# Altium PCB FanSystem-V1.0.PcbDoc (part 2 of 2)
Units mil, origin at the board's own origin, x right, y up, seen from the top; angles counter-clockwise.
Board outline 2755.91 x 2755.91 mil, 2 copper layers (Top Layer, Bottom Layer); 97 components, 83 nets, 334 pads, 122 vias.
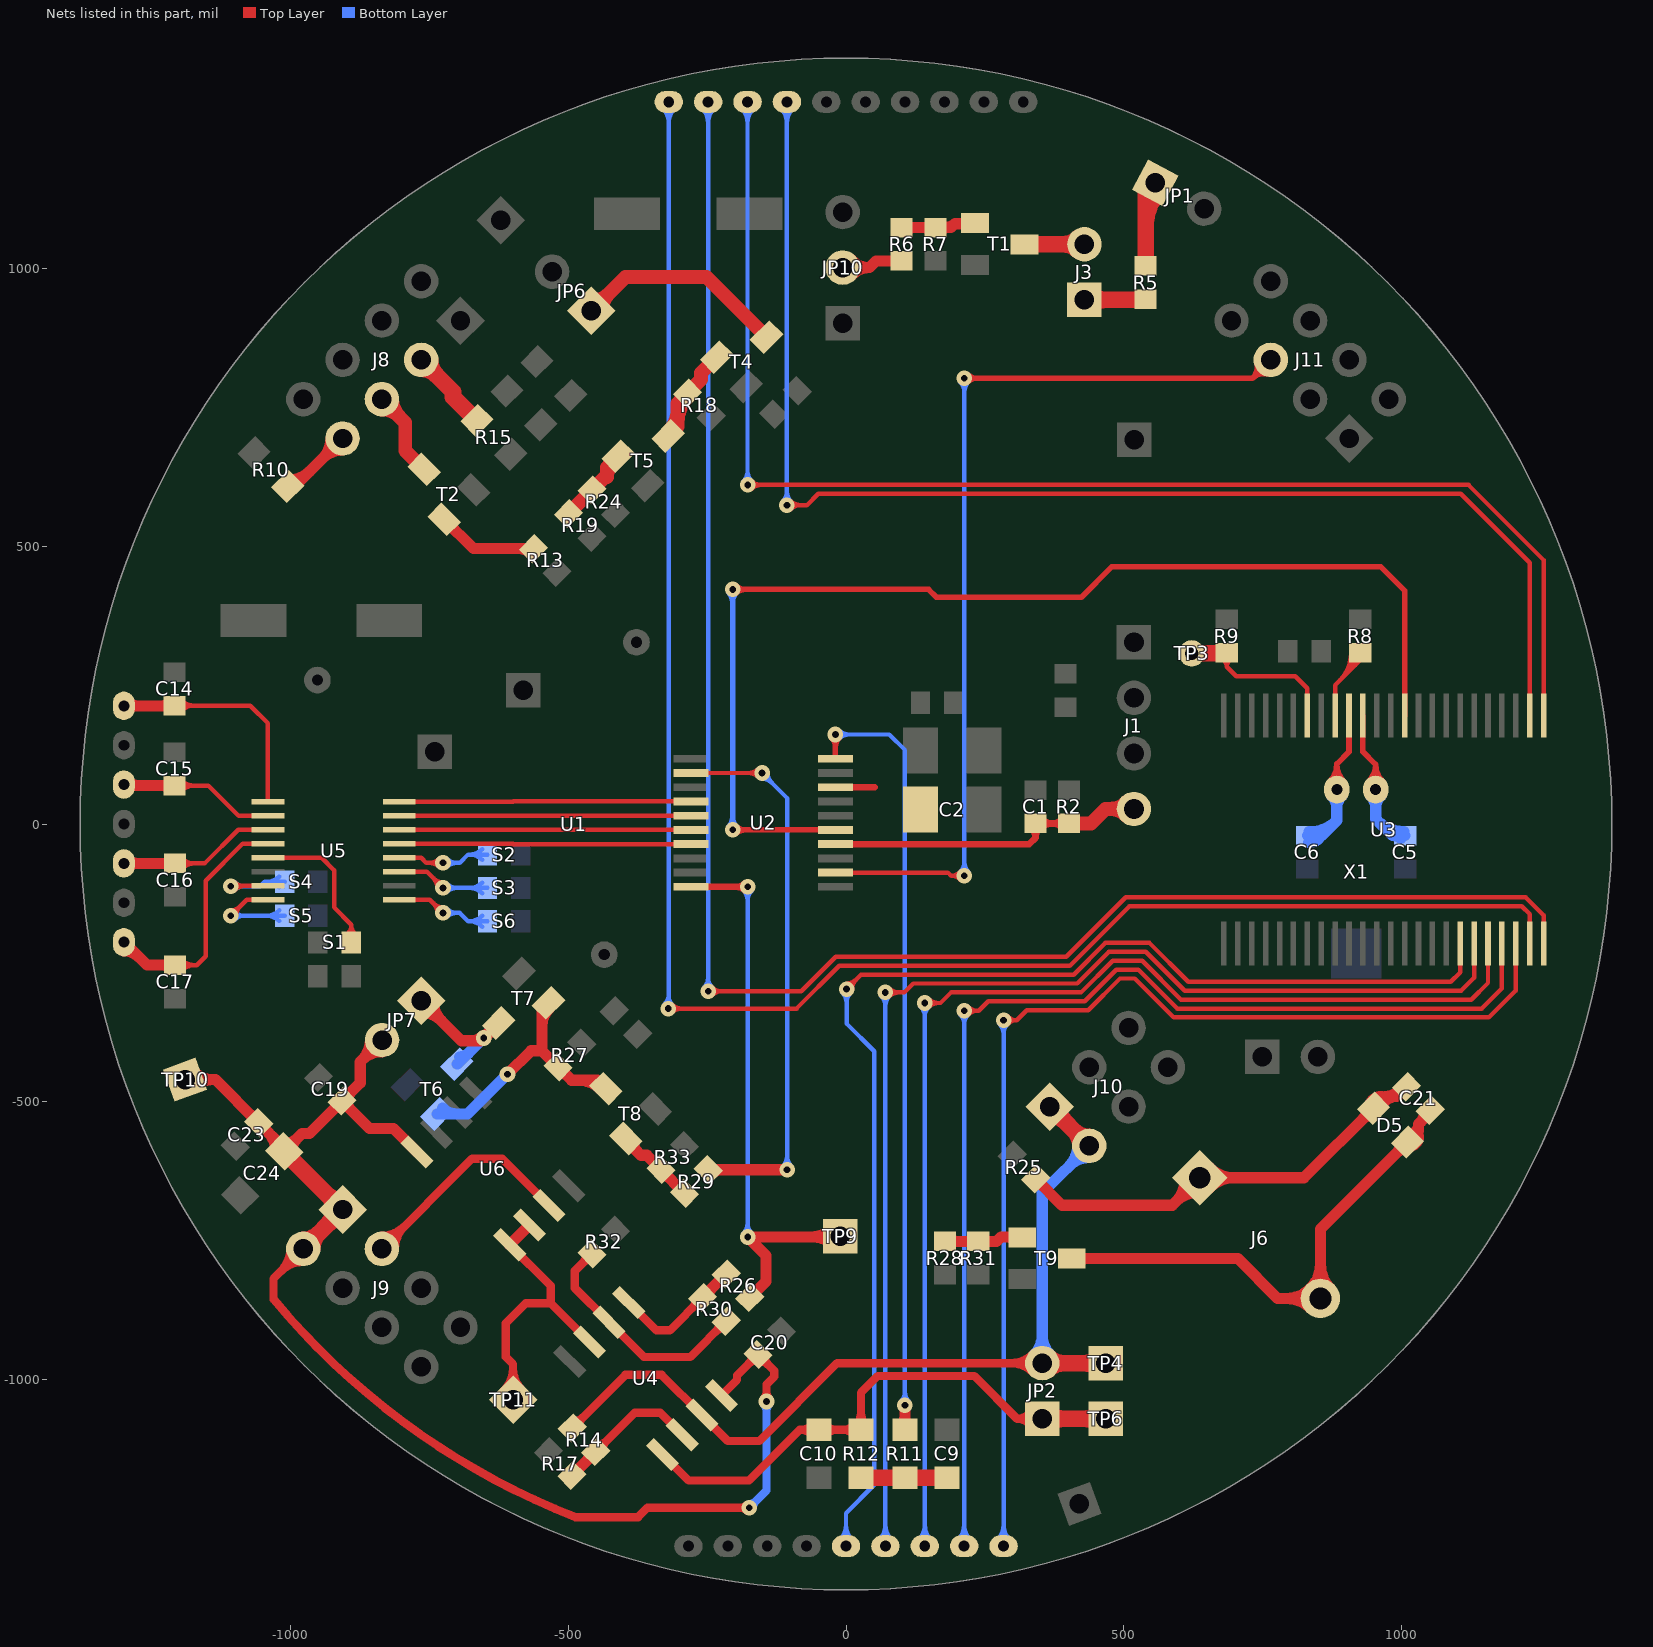
[diagram p2: the nets of this part, all layers, seen from the top]

## Via types
v1: diameter 28, hole 12, Top Layer to Bottom Layer, 122 vias

## Nets (pads, with @x,y where several pads share a name; then routed paths per layer and width w, separated by ;. In a path a pad name is that pad's centre, name@x,y a point inside that pad or via, vN(x,y) a via of type N, cw(c..) or ccw(c..) an arc to the next point about the centre after c; other vN are vias at no path point) (continued)
LCD_S6: U1.7 U3.2 | length 2531.9
  Top Layer w8: v1(-106.3,573.7) -70.3,573.7 -50,594 1106,594 1230,470 U3.2@1230,195 ; v1@-99.23,566.63 cw(c-82.16,549.56) -82.16,573.7 cw(c-82.16,597.84) v1@-99.23,580.77
  Bottom Layer w8: U1.7@-117.39,1288.12 cw(c-144.17,1261.35) -106.3,1261.35 cw(c-68.43,1261.35) U1.7@-95.21,1288.12 ; v1@-113.37,580.77 ccw(c-130.44,597.84) -106.3,597.84 ccw(c-82.16,597.84) v1@-99.23,580.77 ; v1(-106.3,573.7) U1.7@-106.3,1299.21
LCD_S7: U1.8 U3.1 | length 2592.5
  Top Layer w8: v1(-177,610) 1120,610 1255,475 U3.1@1255,195 ; v1@-169.93,602.93 cw(c-152.86,585.86) -152.86,610 cw(c-152.86,634.14) v1@-169.93,617.07
  Bottom Layer w8: U1.8@-188.26,1288.12 cw(c-215.03,1261.35) -177.17,1261.35 cw(c-139.3,1261.35) U1.8@-166.07,1288.12 ; v1@-184.07,617.07 ccw(c-200.74,633.74) -177.17,633.74 ; v1@-177.17,610 U1.8@-177.17,1299.21 ; -177.17,634.54 ccw(c-152.46,634.54) v1@-169.93,617.07
LCD_S8: U1.9 U3.48 | length 3372.6
  Top Layer w8: v1(-248.03,-301) -80.63,-301 -18.63,-239 396.24,-239 503.24,-132 1222.63,-132 1255,-164.37 U3.48@1255,-215 ; v1@-240.96,-308.07 cw(c-223.89,-325.14) -223.89,-301 cw(c-223.89,-276.86) v1@-240.96,-293.93
  Bottom Layer w8: U1.9@-259.12,1288.12 cw(c-285.9,1261.35) -248.03,1261.35 cw(c-210.16,1261.35) U1.9@-236.94,1288.12 ; v1@-255.1,-293.93 ccw(c-272.17,-276.86) -248.03,-276.86 ccw(c-223.89,-276.86) v1@-240.96,-293.93 ; v1(-248.03,-301) U1.9@-248.03,1299.21
LCD_S9: U1.10 U3.47 | length 3451.6
  Top Layer w8: v1(-320,-332) -89,-332 -12,-255 402.86,-255 509.86,-148 1216,-148 1230,-162 U3.47@1230,-215 ; v1@-312.93,-339.07 cw(c-295.86,-356.14) -295.86,-332 cw(c-295.86,-307.86) v1@-312.93,-324.93
  Bottom Layer w8: U1.10@-329.99,1288.12 cw(c-356.76,1261.35) -318.9,1261.35 cw(c-281.03,1261.35) U1.10@-307.81,1288.12 ; v1@-327.07,-324.93 ccw(c-346.8,-305.2) -318.9,-305.2 ; v1@-318.9,-332 U1.10@-318.9,1299.21 ; -318.9,-310.52 ccw(c-298.52,-310.52) v1@-312.93,-324.93
LCD_S10: U1.11 U3.46 | length 2166.3
  Top Layer w8: v1(283.46,-353) 307,-353 ; v1@290.66,-359.94 cw(c307,-375.69) 307,-353 ; v1@290.66,-346.06 ccw(c307,-330.31) 307,-353 ; U3.46@1205,-215 1205,-299.63 1156.63,-348 589.49,-348 519.49,-278 493,-278 436,-335 325,-335 307,-353
  Bottom Layer w8: U1.11@272.37,-1288.12 ccw(c245.6,-1261.35) 283.46,-1261.35 ccw(c321.33,-1261.35) U1.11@294.56,-1288.12 ; v1@276.39,-360.07 cw(c259.32,-377.14) 283.46,-377.14 cw(c307.61,-377.14) v1@290.54,-360.07 ; U1.11@283.46,-1299.21 v1(283.46,-353)
LCD_S11: U1.12 U3.45 | length 2221.5
  Top Layer w8: v1(212.6,-336) 239,-336 256,-319 429.37,-319 486.37,-262 526.12,-262 596.12,-332 1144,-332 1180,-296 U3.45@1180,-215 ; v1@219.67,-343.07 cw(c236.74,-360.14) 236.74,-336 cw(c236.74,-311.86) v1@219.67,-328.93
  Bottom Layer w8: U1.12@201.51,-1288.12 ccw(c174.73,-1261.35) 212.6,-1261.35 ccw(c250.47,-1261.35) U1.12@223.69,-1288.12 ; v1@205.53,-343.07 cw(c188.46,-360.14) 212.6,-360.14 cw(c236.74,-360.14) v1@219.67,-343.07 ; U1.12@212.6,-1299.21 v1(212.6,-336)
LCD_S12: U1.13 U3.44 | length 2269.7
  Top Layer w8: v1(141.73,-322) 170,-322 189,-303 422.75,-303 479.75,-246 532.75,-246 602.75,-316 1125,-316 1155,-286 U3.44@1155,-215 ; v1@148.8,-329.07 cw(c165.87,-346.14) 165.87,-322 cw(c165.87,-297.86) v1@148.8,-314.93
  Bottom Layer w8: U1.13@130.64,-1288.12 ccw(c103.87,-1261.35) 141.73,-1261.35 ccw(c179.6,-1261.35) U1.13@152.82,-1288.12 ; v1@134.66,-329.07 cw(c117.59,-346.14) 141.73,-346.14 cw(c165.87,-346.14) v1@148.8,-329.07 ; U1.13@141.73,-1299.21 v1(141.73,-322)
LCD_S13: U1.14 U3.43 | length 2321.2
  Top Layer w8: v1(70.87,-303) 105,-303 121,-287 416.12,-287 473.12,-230 539.37,-230 609.37,-300 1106.63,-300 1130,-276.63 U3.43@1130,-215 ; v1@77.94,-310.07 cw(c95.01,-327.14) 95.01,-303 cw(c95.01,-278.86) v1@77.94,-295.93
  Bottom Layer w8: U1.14@59.78,-1288.12 ccw(c33,-1261.35) 70.87,-1261.35 ccw(c108.73,-1261.35) U1.14@81.96,-1288.12 ; v1@63.8,-310.07 cw(c46.72,-327.14) 70.87,-327.14 cw(c95.01,-327.14) v1@77.94,-310.07 ; U1.14@70.87,-1299.21 v1(70.87,-303)
LCD_S14: U1.15 U3.42 | length 2405.8
  Top Layer w8: v1(1,-297) 27,-271 409.49,-271 466.49,-214 546,-214 616,-284 1088,-284 1105,-267 U3.42@1105,-215 ; v1@1,-287 ccw(c1,-262.86) 18.07,-279.93 ccw(c35.14,-297) v1@11,-297
  Bottom Layer w8: U1.15@-11.09,-1288.12 ccw(c-37.87,-1261.35) 0,-1261.35 ccw(c37.87,-1261.35) U1.15@11.09,-1288.12 ; v1@-6.07,-304.07 cw(c-23.14,-321.14) 1,-321.14 cw(c25.14,-321.14) v1@8.07,-304.07 ; U1.15@0,-1299.21 0,-1240 51,-1189 51,-409 1,-359 v1(1,-297)
LCD_WR: U2.5 U3.11 | length 2234.6
  Top Layer w10: v1(-204,-10.64) U2.5@-19,-10.64 ; v1(-204,422) 148.54,422 162.54,408 423.46,408 478.46,463 962,463 1005,420 U3.11@1005,195 ; v1@-197.64,-17 cw(c-182.27,-32.37) -182.27,-10.64 cw(c-182.27,11.09) v1@-197.64,-4.27 ; v1@-197.64,415.64 cw(c-182.27,400.27) -182.27,422 cw(c-182.27,443.73) v1@-197.64,428.36
  Bottom Layer w10: v1@-210.36,-4.27 ccw(c-225.73,11.09) -204,11.09 ccw(c-182.27,11.09) v1@-197.64,-4.27 ; v1@-210.36,415.64 cw(c-225.73,400.27) -204,400.27 cw(c-182.27,400.27) v1@-197.64,415.64 ; v1(-204,-10.64) v1(-204,422)
LED: J8.5 T2.3 | length 227.9
  Top Layer w25: J8.5@-835,745.79 cw(c-835,701.13) -803.42,732.71 cw(c-771.84,764.29) J8.5@-816.5,764.29 ; J8.5@-835,764.29 -793,722.29 -793,672 T2.3@-759,638
MG812_5V: C19.1 C20.1 C23.1 C24.A J9.1 J9.2 JP7.2 TP10.1 U4.8 U6.8 | length 3283.5
  Top Layer w15: -1030,-855.45 -1030,-817.87 J9.2@-976.42,-764.29 ; -1029.74,-855.24 ccw(c0,0) -486.72,-1246.96 -373.87,-1246.96 -357,-1230.09 v1(-174,-1230.09) ; J9.2@-999.92,-764.29 cw(c-1056.66,-764.29) -1016.54,-804.41 cw(c-976.42,-844.52) J9.2@-976.42,-787.79 ; U4.8@-223.97,-1028.03 -196,-1000.07 -196,-992 C20.1@-158.43,-954.43 -129,-983.85 -129,-994 -143,-1008 v1(-143,-1039) ; v1@-178.6,-1234.69 ccw(c-189.69,-1245.78) -189.69,-1230.09 ccw(c-189.69,-1214.4) v1@-178.6,-1225.5 ; C20.1@-168.43,-954.43 cw(c-192.57,-954.43) -175.5,-971.5 cw(c-158.43,-988.57) C20.1@-158.43,-964.43 ; C20.1@-156.66,-966.19 cw(c-156.66,-990.34) -139.59,-973.27 cw(c-122.52,-956.19) C20.1@-146.66,-956.19 ; v1@-147.6,-1034.4 ccw(c-158.69,-1023.31) -143,-1023.31 ccw(c-127.31,-1023.31) v1@-138.4,-1034.4
  Top Layer w20: TP10.1@-1189,-460 -1134.15,-460 C23.1@-1056.57,-537.57 C24.A@-1011,-583.15 ; TP10.1@-1174.15,-474.85 cw(c-1138.3,-510.7) -1138.3,-460 cw(c-1138.3,-409.3) TP10.1@-1174.15,-445.15 ; C23.1@-1065.84,-535.81 ccw(c-1083.95,-535.81) -1071.14,-523 ccw(c-1058.34,-510.2) C23.1@-1058.34,-528.31 ; C23.1@-1054.81,-546.84 cw(c-1054.81,-564.95) -1042,-552.14 cw(c-1029.2,-539.34) C23.1@-1047.31,-539.34 ; -1039.78,-554.36 cw(c-1073.03,-587.61) C24.A@-1026.01,-587.61 ; C24.A@-1011,-589 -979,-557 -965.15,-557 C19.1@-906.57,-498.43 ; C24.A@-1011,-575.38 ccw(c-1011,-542.49) -987.75,-565.75 ccw(c-964.49,-589) C24.A@-997.38,-589 ; C19.1@-915.84,-500.19 cw(c-933.95,-500.19) -921.14,-513 cw(c-908.34,-525.8) C19.1@-908.34,-507.69 ; C19.1@-906.57,-505.93 cw(c-906.57,-524.03) -893.77,-511.23 cw(c-880.97,-498.43) C19.1@-899.07,-498.43 ; C19.1@-904.81,-489.16 ccw(c-904.81,-471.05) -892,-483.86 ccw(c-879.2,-496.66) C19.1@-897.31,-496.66 ; JP7.2@-855.71,-388.71 cw(c-906.41,-388.71) -870.56,-424.56 cw(c-834.71,-460.41) JP7.2@-834.71,-409.71 ; JP7.2@-834.71,-388.71 -874,-428 -874,-465.85 C19.1@-906.57,-498.43 ; U6.8@-772.03,-589.97 -814,-548 -857,-548 C19.1@-906.57,-498.43
  Top Layer w30: C24.A@-1011,-589 J9.1@-906.42,-693.58 ; J9.2@-976.42,-764.29 J9.1@-905.71,-693.58 ; J9.2@-976.42,-748.29 ccw(c-976.42,-709.66) -949.11,-736.98 ccw(c-921.79,-764.29) J9.2@-960.42,-764.29 ; -934.24,-665.76 ccw(c-905.71,-637.24) J9.1@-905.71,-677.58 ; -932.52,-667.48 cw(c-958.62,-693.58) -921.71,-693.58 cw(c-960.34,-693.58) -933.02,-720.89 cw(c-905.71,-748.21) J9.1@-905.71,-709.58
  Bottom Layer w15: v1(-174,-1230.09) -143,-1199.09 v1(-143,-1039) ; v1@-174,-1223.59 ccw(c-174,-1207.9) -162.9,-1219 ccw(c-151.81,-1230.09) v1@-167.5,-1230.09 ; v1@-147.6,-1043.6 cw(c-158.69,-1054.69) -143,-1054.69 cw(c-127.31,-1054.69) v1@-138.4,-1043.6
MG812_ADC: R26.2 TP9.1 U2.20 | length 1246.8
  Top Layer w12: U2.20@-278.84,-113 v1(-177,-113) ; v1@-182.66,-118.66 ccw(c-196.31,-132.31) -196.31,-113 ccw(c-196.31,-93.69) v1@-182.66,-107.34
  Top Layer w20: R26.2@-173,-852 -144,-823 -144,-776 v1(-177,-743) TP9.1@-11,-743 ; R26.2@-171.23,-842.73 ccw(c-171.23,-824.63) -158.43,-837.43 ccw(c-145.63,-850.23) R26.2@-163.73,-850.23 ; -63.11,-743 ccw(c-63.11,-688.89) TP9.1@-24.85,-727.15 ; -58.28,-743 cw(c-58.28,-790.28) TP9.1@-24.85,-756.85
  Bottom Layer w8: v1@-184.07,-735.93 ccw(c-201.14,-718.86) -177,-718.86 ccw(c-152.86,-718.86) v1@-169.93,-735.93 ; v1@-184.07,-120.07 cw(c-201.14,-137.14) -177,-137.14 cw(c-152.86,-137.14) v1@-169.93,-120.07 ; v1(-177,-743) -177,-555 v1(-177,-113)
MG812_SIG: J9.3 U6.3 | length 492
  Top Layer w15: J9.3@-835,-764.29 -672.71,-602 -618.58,-602 U6.3@-534.29,-686.29 ; J9.3@-835,-740.79 ccw(c-835,-684.06) -794.88,-724.17 ccw(c-754.77,-764.29) J9.3@-811.5,-764.29
MG812_VDD_EN: R29.2 U2.12 | length 1146.3
  Top Layer w8: U2.12@-278.84,91.72 v1(-151,91.72) ; U2.12@-252.23,89.6 cw(c-247.1,84.48) -247.1,91.72 cw(c-247.1,98.97) U2.12@-252.23,93.85 ; v1@-158.07,84.65 ccw(c-175.14,67.58) -175.14,91.72 ccw(c-175.14,115.87) v1@-158.07,98.8
  Top Layer w20: R29.2@-248,-622 v1(-106,-622) ; R29.2@-240.93,-629.07 cw(c-223.86,-646.14) R29.2@-223.86,-622
  Bottom Layer w8: v1@-151,81.72 cw(c-151,57.58) -133.93,74.65 cw(c-116.86,91.72) v1@-141,91.72 ; v1(-151,91.72) -106,46.72 v1(-106,-622) ; v1@-113.07,-614.93 ccw(c-130.14,-597.86) -106,-597.86 ccw(c-81.86,-597.86) v1@-98.93,-614.93
MOTOR_DAC_IN: J10.1 J10.2 JP2.2 R14.2 TP4.1 U4.7 | length 2161.3
  Top Layer w15: R14.2@-492.43,-1086.57 -396.85,-991 -331.71,-991 U4.7@-259.32,-1063.39 -212.71,-1110 -156,-1110 -16,-970 JP2.2@353,-970 ; R14.2@-490.66,-1074.81 ccw(c-490.66,-1050.66) -473.59,-1067.73 ccw(c-456.52,-1084.81) R14.2@-480.66,-1084.81 ; JP2.2@336.38,-986.62 ccw(c296.27,-1026.73) 296.27,-970 ccw(c296.27,-913.27) JP2.2@336.38,-953.38
  Top Layer w30: JP2.2@353,-970 TP4.1@467,-970 ; JP2.2@364.31,-981.31 cw(c391.63,-1008.63) 391.63,-970 cw(c391.63,-931.37) JP2.2@364.31,-958.69 ; J10.1@366.93,-524.36 cw(c366.93,-562.98) 394.25,-535.67 cw(c421.56,-508.36) J10.1@382.93,-508.36 ; J10.1@366.93,-508.36 J10.2@437.64,-579.07 ; J10.2@421.64,-579.07 ccw(c383.02,-579.07) 410.33,-551.75 ccw(c437.64,-524.44) J10.2@437.64,-563.07 ; TP4.1@455.69,-981.31 ccw(c428.37,-1008.63) 428.37,-970 ccw(c428.37,-931.37) TP4.1@455.69,-958.69
  Bottom Layer w20: JP2.2@338.15,-955.15 ccw(c302.3,-919.3) 353,-919.3 ccw(c403.7,-919.3) JP2.2@367.85,-955.15 ; JP2.2@353,-970 353,-663.71 J10.2@437.64,-579.07 ; J10.2@416.64,-579.07 cw(c365.95,-579.07) 401.8,-614.92 cw(c437.64,-650.76) J10.2@437.64,-600.07
MOTOR_PWM: R11.1 U2.10 | length 1551.2
  Top Layer w10: v1@-25.36,154.64 cw(c-40.73,139.27) -19,139.27 cw(c2.73,139.27) v1@-12.64,154.64 ; U2.10@-19,117.31 v1(-19,161)
  Top Layer w20: R11.1@98.93,-1082.93 ccw(c81.86,-1065.86) 106,-1065.86 ccw(c130.14,-1065.86) R11.1@113.07,-1082.93 ; R11.1@106,-1090 v1(106,-1046)
  Bottom Layer w8: v1(-19,161) 78,161 106,133 v1(106,-1046) ; v1@-11.93,153.93 cw(c5.14,136.86) 5.14,161 cw(c5.14,185.14) v1@-11.93,168.07 ; v1@98.93,-1038.93 ccw(c81.86,-1021.86) 106,-1021.86 ccw(c130.14,-1021.86) v1@113.07,-1038.93
NetC2_A: C2.A U2.8 | length 70.9
  Top Layer w12: U2.8@-19,66.13 51.87,66.13
NetC5_2: C5.2 U3.14 X1.1 | length 459
  Top Layer w10: U3.14@930,195 930,130 953,107 ; X1.1@940.37,76.82 ccw(c910.64,107) 953,107 ; X1.1@953,62 953,107 ; X1.1@965.63,76.82 cw(c995.36,107) 953,107
  Bottom Layer w20: X1.1@943.81,50.81 cw(c921.61,28.62) 953,28.62 cw(c984.38,28.62) X1.1@962.19,50.81 ; X1.1@953,62 953,9 983,-21 C5.2@1006,-21 ; 955.7,6.3 ccw(c1003.5,54.1) C5.2@1003.5,-13.5 ; C5.2@998.2,-26.3 ccw(c985.39,-39.11) 985.39,-21 ccw(c985.39,-2.89) C5.2@998.2,-15.7
NetC6_2: C6.2 U3.15 X1.2 | length 484.6
  Top Layer w10: X1.2@870.27,76.73 ccw(c839.54,107.46) 883,107.46 ccw(c926.46,107.46) X1.2@895.73,76.73 ; X1.2@883,62 883,108 905,130 U3.15@905,195
  Bottom Layer w20: C6.2@830,-21 856,-21 883,6 ; C6.2@831.95,-33.49 ccw(c833.06,-8.33) 850.86,-26.14 ; C6.2@832.83,-13.51 ccw(c835.75,53.24) 883,6 ; C6.2@837.8,-26.3 cw(c850.61,-39.11) 850.61,-21 cw(c850.61,-2.89) C6.2@837.8,-15.7 ; X1.2@873.81,50.81 cw(c851.61,28.62) 883,28.62 cw(c914.38,28.62) X1.2@892.19,50.81 ; X1.2@883,62 883,6
NetC9_2: C9.2 R11.2 R12.1 | length 155
  Top Layer w30: R12.1@27,-1176 R11.2@106,-1176 C9.2@182,-1176
NetC10_2: C10.2 JP2.1 R12.2 TP6.1 U4.5 | length 1336.8
  Top Layer w15: U4.5@-330.03,-1134.1 -283.13,-1181 -174.47,-1181 -83.47,-1090 C10.2@-49,-1090 R12.2@27,-1090 27,-1023 57,-993 231,-993 308,-1070 ; C10.2@-60.34,-1098.84 ccw(c-81.68,-1120.18) -81.68,-1090 ccw(c-81.68,-1059.82) C10.2@-60.34,-1081.16 ; C10.2@-37.66,-1098.84 cw(c-16.32,-1120.18) -16.32,-1090 cw(c-16.32,-1059.82) C10.2@-37.66,-1081.16 ; R12.2@15.66,-1098.84 ccw(c-5.68,-1120.18) -5.68,-1090 ccw(c-5.68,-1059.82) R12.2@15.66,-1081.16 ; R12.2@18.16,-1081.16 ccw(c-3.18,-1059.82) 27,-1059.82 ccw(c57.18,-1059.82) R12.2@35.84,-1081.16 ; JP2.1@333.71,-1083.43 ccw(c308,-1101.33) 308,-1070 ; JP2.1@333.71,-1056.57 cw(c308,-1038.67) 308,-1070 ; JP2.1@353,-1070 308,-1070
  Top Layer w30: JP2.1@353,-1070 TP6.1@467,-1070 ; JP2.1@364.31,-1081.31 cw(c391.63,-1108.63) 391.63,-1070 cw(c391.63,-1031.37) JP2.1@364.31,-1058.69 ; TP6.1@455.69,-1081.31 ccw(c428.37,-1108.63) 428.37,-1070 ccw(c428.37,-1031.37) TP6.1@455.69,-1058.69
NetC21_1: C21.1 D5.K J6.1 R25.1 | length 1208.7
  Top Layer w20: R25.1@341.43,-645.93 cw(c341.43,-664.03) 354.23,-651.23 cw(c367.03,-638.43) R25.1@348.93,-638.43 ; R25.1@341.43,-638.43 389,-686 586.86,-686 J6.1@636.43,-636.43 824.26,-636.43 D5.K@949.21,-511.49 970.69,-490 ; J6.1@611,-636.43 cw(c549.59,-636.43) 593.01,-679.85 cw(c636.43,-723.26) J6.1@636.43,-661.86 ; J6.1@654.41,-654.41 cw(c697.83,-697.83) 697.83,-636.43 cw(c697.83,-575.03) J6.1@654.41,-618.44 ; D5.K@937.44,-513.25 cw(c913.3,-513.25) 930.37,-530.32 cw(c947.44,-547.4) D5.K@947.44,-523.25 ; D5.K@941.41,-506.79 cw(c964.11,-513.74) 964.11,-490 ; D5.K@950.97,-499.72 ccw(c950.97,-475.58) 968.04,-492.65 ccw(c985.12,-509.72) D5.K@960.97,-509.72 ; D5.K@960.54,-512.64 cw(c991.15,-522.01) 991.15,-490 ; C21.1@999.31,-474.34 cw(c981.2,-474.34) 994,-487.14 cw(c1006.81,-499.95) C21.1@1006.81,-481.84 ; C21.1@999.99,-471.21 cw(c970.69,-457.76) 970.69,-490 ; C21.1@1008.57,-472.57 991.15,-490 ; 970.69,-490 991.15,-490
NetC21_2: C21.2 D5.A J6.2 T9.3 | length 1259.1
  Top Layer w20: T9.3@406,-782 705,-782 776.57,-853.57 J6.2@853.57,-853.57 ; T9.3@418.66,-787.66 cw(c432.31,-801.31) 432.31,-782 cw(c432.31,-762.69) T9.3@418.66,-776.34 ; J6.2@835.59,-871.56 ccw(c792.17,-914.97) 792.17,-853.57 ccw(c792.17,-792.17) 835.59,-835.59 ccw(c792.17,-792.17) 853.57,-792.17 ccw(c914.97,-792.17) J6.2@871.56,-835.59 ; J6.2@853.57,-835.26 853.57,-728.74 D5.A@1010.02,-572.3 1030,-552.31 1030,-540 ; D5.A@998.25,-574.06 cw(c974.11,-574.06) 991.18,-591.14 cw(c1008.25,-608.21) D5.A@1008.25,-584.06 ; D5.A@1011,-560.56 ccw(c1009.38,-540) 1030,-540 ; D5.A@1011.78,-560.53 ccw(c1011.78,-536.39) 1028.86,-553.46 ccw(c1045.93,-570.53) D5.A@1021.78,-570.53 ; D5.A@1012.57,-580.5 ccw(c1011.08,-561.64) D5.A@1030,-561.64 ; 1033.6,-536.4 ccw(c1013.97,-516.77) C21.2@1041.73,-516.77 ; C21.2@1051,-515 1051,-519 1030,-540
NetJ3_1: J3.1 R5.1 | length 169.7
  Top Layer w30: J3.1@429,943 R5.1@538,943 ; J3.1@440.31,931.69 cw(c467.63,904.37) 467.63,943 cw(c467.63,981.63) J3.1@440.31,954.31
NetJ3_2: J3.2 T1.3 | length 168.7
  Top Layer w30: T1.3@321,1043 J3.2@429,1043 ; J3.2@417.69,1031.69 ccw(c390.37,1004.37) 390.37,1043 ccw(c390.37,1081.63) J3.2@417.69,1054.31
NetJP1_1: JP1.1 R5.2 | length 233
  Top Layer w30: R5.2@539,1004 539,1137 JP1.1@556,1154 ; 539,1074.33 cw(c635.67,1074.33) JP1.1@567.31,1142.69
NetJP6_1: JP6.1 T4.D | length 455.2
  Top Layer w25: JP6.1@-458,923 -397,984 -251,984 T4.D@-143,876 ; JP6.1@-458,941.5 ccw(c-458,986.16) -426.42,954.58 ccw(c-394.84,923) JP6.1@-439.5,923
NetJP7_1: JP7.1 T6.3 T7.D | length 422.2
  Top Layer w20: JP7.1@-764,-339 cw(c-764,-389.7) -728.15,-353.85 cw(c-692.3,-318) JP7.1@-743,-318 ; JP7.1@-764,-318 -692,-390 v1@-657,-390 ; -673.73,-390 ccw(c-673.73,-363.27) v1@-654.83,-382.17 ; v1@-653.04,-381.14 ccw(c-658.25,-361.68) T7.D@-640.8,-371.75 ; v1(-652,-385) T7.D@-625,-358 ; v1@-648.14,-386.04 cw(c-628.68,-391.25) T7.D@-638.75,-373.8 ; T7.D@-637.95,-362.95 cw(c-657.26,-362.95) -643.61,-376.61 cw(c-629.95,-390.26) T7.D@-629.95,-370.95
  Bottom Layer w20: T6.3@-700,-432 -699,-432 v1(-652,-385) ; T6.3@-695.05,-419.05 ccw(c-695.05,-397.32) -679.69,-412.69
NetJP10_2: JP10.2 R6.1 | length 212.6
  Top Layer w20: JP10.2@-6,1001 42,1001 ; JP10.2@9.42,986.75 cw(c42,956.65) 42,1001 ; JP10.2@9.42,1015.25 ccw(c42,1045.35) 42,1001 ; R6.1@92.2,1007.7 ccw(c79.39,994.89) 79.39,1013 ccw(c79.39,1031.11) R6.1@92.2,1018.3 ; R6.1@100,1013 54,1013 42,1001
NetR6_2: R6.2 R7.2 T1.1 | length 268.9
  Top Layer w20: R6.2@100,1073 R7.2@161,1073 189,1073 196,1080 ; R6.2@107.8,1067.7 cw(c120.61,1054.89) 120.61,1073 cw(c120.61,1091.11) R6.2@107.8,1078.3 ; R7.2@153.2,1067.7 ccw(c140.39,1054.89) 140.39,1073 ccw(c140.39,1091.11) R7.2@153.2,1078.3 ; R7.2@168.31,1078.76 ccw(c181.47,1094.53) 196,1080 ; R7.2@168.8,1067.7 cw(c181.61,1054.89) 181.61,1073 cw(c181.61,1091.11) R7.2@168.8,1078.3 ; 203.27,1080 ccw(c203.27,1102.73) T1.1@219.34,1086.66 ; T1.1@232,1081 231,1080 196,1080
NetR8_2: R8.2 U3.16 | length 251.1
  Top Layer w8: U3.16@880,195 880,250 925,295 R8.2@925,308 cw(c893.61,308) 915.81,285.81 ; 888.49,258.49 ccw(c838.99,308) R8.2@909,308 ; 902.15,272.15 ccw(c866.3,308) R8.2@917,308
NetR9_2: R9.2 TP3.1 U3.18 | length 329.6
  Top Layer w8: R9.2@677.6,296.71 cw(c668.6,283) 685,283 ; R9.2@685,308 685,283 ; R9.2@692.4,296.71 ccw(c701.4,283) 685,283 ; U3.18@830,195 830,244 808,266 702,266 685,283
  Top Layer w30: TP3.1@622,307 R9.2@684,307
NetR13_1: R13.1 T2.1 | length 231.7
  Top Layer w20: T2.1@-722.94,548.2 -670.17,495.43 R13.1@-562.43,495.43 ; T2.1@-717.99,535.25 cw(c-717.99,515.93) -704.33,529.59 cw(c-690.67,543.25) T2.1@-709.99,543.25 ; R13.1@-586.57,495.43 cw(c-586.57,471.28) R13.1@-569.5,488.36
NetR14_1: R14.1 R17.2 U4.6 | length 356.4
  Top Layer w15: R14.1@-450,-1129 -380,-1059 -334.42,-1059 U4.6@-294.68,-1098.74 ; R14.1@-448.23,-1117.23 ccw(c-448.23,-1093.09) -431.16,-1110.16 ccw(c-414.09,-1127.23) R14.1@-438.23,-1127.23
  Top Layer w20: R17.2@-493,-1172 R14.1@-450,-1129 ; R17.2@-491.23,-1162.73 ccw(c-491.23,-1144.63) -478.43,-1157.43 ccw(c-465.63,-1170.23) R17.2@-483.73,-1170.23 ; R14.1@-459.27,-1130.77 cw(c-477.37,-1130.77) -464.57,-1143.57 cw(c-451.77,-1156.37) R14.1@-451.77,-1138.27
NetR18_2: R18.2 T4.G T5.3 | length 300.7
  Top Layer w25: T5.3@-320,698 -303,715 -303,757 R18.2@-285,775 -285,776 -261,800 -261,811.74 T4.G@-232.8,839.94 ; T5.3@-318.94,706.84 ccw(c-357.42,745.32) -303,745.32 ; -303,721.97 cw(c-235.51,721.97) R18.2@-283.23,769.7 ; -303,750.28 cw(c-284.97,750.28) R18.2@-286.38,768.25
NetR19_1: R19.1 R24.2 T5.1 | length 200
  Top Layer w25: R19.1@-499.43,558.43 -499.43,558.57 R24.2@-457,601 -430,628 -430,641.74 T5.1@-409.8,661.94 ; -430,624.24 cw(c-399.28,624.24) T5.1@-412.4,652.02 ; -430,635.42 cw(c-413.92,635.42) T5.1@-414.54,651.49
NetR26_1: R26.1 R30.2 U4.1 | length 333.1
  Top Layer w15: U4.1@-391,-861 -341,-911 -317,-911 R30.2@-258,-852 ; R30.2@-269.77,-853.77 cw(c-293.91,-853.77) -276.84,-870.84 cw(c-259.77,-887.91) R30.2@-259.77,-863.77
  Top Layer w20: R30.2@-258,-852 -215.57,-809.57 R26.1@-215.43,-809.57 ; R30.2@-256.23,-842.73 ccw(c-256.23,-824.63) -243.43,-837.43 ccw(c-230.63,-850.23) R30.2@-248.73,-850.23 ; -230.25,-824.25 cw(c-217.19,-837.3) R26.1@-217.19,-818.84 ; -229.89,-823.89 ccw(c-242.45,-811.34) R26.1@-224.69,-811.34
NetR27_2: R27.2 T6.1 T7.G T8.3 | length 631.3
  Top Layer w20: v1(-609,-450) -567,-408 -547,-408 ; -547,-362.75 cw(c-504.29,-362.75) T7.G@-534.49,-332.54 ; T7.G@-535.2,-321.94 -547,-333.74 -547,-408 ; R27.2@-527.27,-435.23 ccw(c-545.37,-435.23) -532.57,-422.43 ccw(c-519.77,-409.63) R27.2@-519.77,-427.73 ; R27.2@-516.23,-446.27 cw(c-516.23,-464.37) -503.43,-451.57 cw(c-490.63,-438.77) R27.2@-508.73,-438.77 ; -480.53,-461 cw(c-480.53,-514.63) T8.3@-442.61,-476.71 ; T8.3@-432,-476 -447,-461 -494,-461 R27.2@-518,-437 -547,-408
  Bottom Layer w20: T6.1@-736.06,-521.8 -680.8,-521.8 v1(-609,-450) ; T6.1@-725.46,-511.2 ccw(c-699.85,-485.59) -699.85,-521.8
NetR28_2: R28.2 R31.2 T9.1 | length 245.9
  Top Layer w20: R28.2@178,-751 R31.2@238,-751 271,-751 279,-743 316,-743 T9.1@317,-744 ; R28.2@185.8,-756.3 cw(c198.61,-769.11) 198.61,-751 cw(c198.61,-732.89) R28.2@185.8,-745.7 ; R31.2@230.2,-756.3 ccw(c217.39,-769.11) 217.39,-751 ccw(c217.39,-732.89) R31.2@230.2,-745.7 ; R31.2@245.8,-756.3 cw(c258.61,-769.11) 258.61,-751 cw(c258.61,-732.89) R31.2@245.8,-745.7 ; 288.27,-743 cw(c288.27,-765.73) T9.1@304.34,-749.66
NetR29_1: R29.1 R33.2 T8.1 | length 242.8
  Top Layer w20: T8.1@-395.94,-565.8 -395.94,-569.06 -369,-596 -358,-596 R33.2@-333,-621 -333,-621.85 R29.1@-290.43,-664.43 ; T8.1@-382.99,-570.75 ccw(c-355.8,-570.75) -375.03,-589.97 ; R33.2@-342.27,-619.23 ccw(c-360.37,-619.23) -347.57,-606.43 ccw(c-334.77,-593.63) R33.2@-334.77,-611.73 ; R33.2@-323.73,-622.77 ccw(c-303.57,-622.77) -317.83,-637.03 ; R29.1@-299.69,-662.66 ccw(c-317.8,-662.66) -305,-649.86 ccw(c-292.19,-637.05) R29.1@-292.19,-655.16
NetR30_1: R30.1 R32.2 U4.2 | length 501.1
  Top Layer w15: R32.2@-467,-773 cw(c-491.14,-773) -474.07,-790.07 cw(c-457,-807.14) R32.2@-457,-783 ; R32.2@-457,-773 -488,-804 -488,-834.71 U4.2@-426.36,-896.36 -363.71,-959 -280.15,-959 R30.1@-215.57,-894.43 ; R30.1@-227.34,-896.19 cw(c-251.48,-896.19) -234.41,-913.27 cw(c-217.34,-930.34) R30.1@-217.34,-906.19
NetS1_2: S1.2 U5.5 | length 314.8
  Top Layer w8: U5.5@-1040,-60.79 -943.21,-60.79 -921,-83 -921,-150 -890,-181 ; S1.2@-898.82,-200.28 ccw(c-915.48,-181) -890,-181 ; S1.2@-890,-213 -890,-181 ; S1.2@-881.18,-200.28 cw(c-864.52,-181) -890,-181
NetS2_1: S2.1 U5.12 | length 295.8
  Top Layer w8: U5.12@-803.78,-60.79 -764.21,-60.79 -755,-70 v1(-725,-70) ; v1@-732.07,-77.07 ccw(c-749.14,-94.14) -749.14,-70 ccw(c-749.14,-45.86) v1@-732.07,-62.93
  Bottom Layer w8: v1(-725,-70) -695,-70 -680,-55 S2.1@-645,-55 ; v1@-717.93,-77.07 cw(c-700.86,-94.14) -700.86,-70 cw(c-700.86,-45.86) v1@-717.93,-62.93 ; S2.1@-654.55,-64.55 ccw(c-677.59,-87.59) -677.59,-55 ccw(c-677.59,-22.41) S2.1@-654.55,-45.45
NetS3_1: S3.1 U5.11 | length 297.8
  Top Layer w8: U5.11@-803.78,-85.98 -754,-86 v1(-725,-115) ; v1@-735,-115 ccw(c-759.14,-115) -742.07,-97.93 ccw(c-725,-80.86) v1@-725,-105
  Bottom Layer w8: v1(-725,-115) S3.1@-645,-115 ; v1@-717.93,-122.07 cw(c-700.86,-139.14) -700.86,-115 cw(c-700.86,-90.86) v1@-717.93,-107.93 ; S3.1@-654.55,-124.55 ccw(c-677.59,-147.59) -677.59,-115 ccw(c-677.59,-82.41) S3.1@-654.55,-105.45
NetS4_2: S4.2 U5.7 | length 294.7
  Top Layer w8: v1(-1107,-112) -1106.18,-111.18 U5.7@-1040,-111.18 ; v1@-1099.93,-119.07 cw(c-1080.88,-138.12) -1080.88,-111.18 ; v1@-1099.93,-104.93 ccw(c-1084.83,-89.83) -1084.83,-111.18
  Bottom Layer w8: v1(-1107,-112) -1054,-112 -1046,-104 S4.2@-1010,-104 ; v1@-1099.93,-119.07 cw(c-1082.86,-136.14) -1082.86,-112 cw(c-1082.86,-87.86) v1@-1099.93,-104.93 ; S4.2@-1019.55,-113.55 ccw(c-1042.59,-136.59) -1042.59,-104 ccw(c-1042.59,-71.41) S4.2@-1019.55,-94.45
NetS5_2: S5.2 U5.8 | length 302.9
  Top Layer w8: v1(-1107,-165) -1078.38,-136.38 U5.8@-1040,-136.38 ; v1@-1107,-155 ccw(c-1107,-130.86) -1089.93,-147.93 ccw(c-1072.86,-165) v1@-1097,-165
  Bottom Layer w8: v1(-1107,-165) S5.2@-1010,-165 ; v1@-1099.93,-172.07 cw(c-1082.86,-189.14) -1082.86,-165 cw(c-1082.86,-140.86) v1@-1099.93,-157.93 ; S5.2@-1019.55,-174.55 ccw(c-1042.59,-197.59) -1042.59,-165 ccw(c-1042.59,-132.41) S5.2@-1019.55,-155.45
NetS6_1: S6.1 U5.9 | length 301.8
  Top Layer w8: U5.9@-803.78,-136.38 -748.62,-136.38 v1(-725,-160) ; v1@-735,-160 ccw(c-759.14,-160) -742.07,-142.93 ccw(c-725,-125.86) v1@-725,-150
  Bottom Layer w8: v1(-725,-160) -695,-160 -680,-175 S6.1@-645,-175 ; v1@-717.93,-167.07 cw(c-700.86,-184.14) -700.86,-160 cw(c-700.86,-135.86) v1@-717.93,-152.93 ; S6.1@-654.55,-184.55 ccw(c-677.59,-207.59) -677.59,-175 ccw(c-677.59,-142.41) S6.1@-654.55,-165.45
NetTP11_1: TP11.1 U4.3 U6.1 U6.2 | length 612.3
  Top Layer w15: TP11.1@-615.62,-1019.38 ccw(c-655.73,-979.27) -599,-979.27 ccw(c-542.27,-979.27) TP11.1@-582.38,-1019.38 ; U6.1@-605,-757 -531,-831 -531,-862.42 ; TP11.1@-599,-1036 -599,-971.84 -612,-958.84 -612,-898 -576.42,-862.42 -531,-862.42 ; U4.3@-461.71,-931.71 -531,-862.42
  Top Layer w20: U6.1@-605,-757 U6.2@-569.64,-721.64
RESET: C1.2 J1.4 R2.1 U2.4 | length 775.2
  Top Layer w12: U2.4@-19,-36.23 329.77,-36.23 341,-25 ; C1.2@333.26,-7.51 cw(c317.36,-25) 341,-25 ; C1.2@348.74,-7.51 ccw(c364.64,-25) 341,-25 ; C1.2@351.63,-7.13 cw(c371.26,-26.76) 371.26,1 cw(c371.26,28.76) C1.2@351.63,9.13 ; R2.1@390.37,-7.13 ccw(c370.74,-26.76) 370.74,1 ccw(c370.74,28.76) R2.1@390.37,9.13 ; R2.1@401,1 C1.2@341,1 341,-25
  Top Layer w25: R2.1@401,1 441,1 467,27 J1.4@518,27 ; J1.4@504.92,13.92 ccw(c473.34,-17.66) 473.34,27 ccw(c473.34,71.66) J1.4@504.92,40.08
TOUCH_+: C14.2 U1.26 U5.1 | length 516.3
  Top Layer w8: C14.2@-1208,213 -1072,213 -1040,181 U5.1@-1040,40 ; C14.2@-1195.95,203.45 cw(c-1172.91,180.41) -1172.91,213 cw(c-1172.91,245.59) C14.2@-1195.95,222.55
  Top Layer w20: U1.26@-1299.21,212.6 C14.2@-1208.4,212.6 ; U1.26@-1292.36,205.75 cw(c-1275.83,189.22) -1275.83,212.6 cw(c-1275.83,235.98) U1.26@-1292.36,219.45 ; -1229.58,212.6 ccw(c-1229.58,232.08) C14.2@-1215.8,218.3
TOUCH_-: C16.2 U1.22 U5.3 | length 400.5
  Top Layer w8: C16.2@-1207,-71 -1154,-71 -1093.39,-10.39 U5.3@-1040,-10.39 ; C16.2@-1194.95,-80.55 cw(c-1171.91,-103.59) -1171.91,-71 cw(c-1171.91,-38.41) C16.2@-1194.95,-61.45
  Top Layer w20: U1.22@-1299.08,-71 C16.2@-1207,-71 ; U1.22@-1292.36,-77.71 cw(c-1276.15,-93.92) -1276.15,-71 ; U1.22@-1292.36,-64.02 ccw(c-1275.51,-47.16) -1275.51,-71 ; C16.2@-1214.8,-76.3 ccw(c-1227.61,-89.11) -1227.61,-71 ccw(c-1227.61,-52.89) C16.2@-1214.8,-65.7
TOUCH_MODE: C17.2 U1.20 U5.4 | length 555.7
  Top Layer w8: C17.2@-1207,-254 -1168,-254 -1152,-238 -1152,-102 -1085.59,-35.59 U5.4@-1040,-35.59 ; C17.2@-1194.95,-263.55 cw(c-1171.91,-286.59) -1171.91,-254 cw(c-1171.91,-221.41) C17.2@-1194.95,-244.45
  Top Layer w20: U1.20@-1299.21,-228.19 cw(c-1299.21,-265.83) -1272.6,-239.21 ; U1.20@-1299.21,-212.6 -1257.81,-254 C17.2@-1207,-254 ; C17.2@-1214.8,-259.3 ccw(c-1227.61,-272.11) -1227.61,-254 ccw(c-1227.61,-235.89) C17.2@-1214.8,-248.7
TOUCH_POWER: C15.2 U1.24 U5.2 | length 382.8
  Top Layer w8: C15.2@-1208,69 -1147,69 -1092.8,14.8 U5.2@-1040,14.8 ; C15.2@-1195.95,59.45 cw(c-1172.91,36.41) -1172.91,69 cw(c-1172.91,101.59) C15.2@-1195.95,78.55
  Top Layer w20: U1.24@-1297.35,69 C15.2@-1208,69 ; U1.24@-1292.36,77.71 ccw(c-1271.33,98.75) -1271.33,69 ; C15.2@-1215.8,63.7 ccw(c-1228.61,50.89) -1228.61,69 ccw(c-1228.61,87.11) C15.2@-1215.8,74.3
TTP224_OUT_0: U2.14 U5.16 | length 536.5
  Top Layer w8: U5.16@-803.78,40 -599,40 -598.46,40.54 U2.14@-278.84,40.54 ; U2.14@-305.46,38.42 ccw(c-310.58,33.3) -310.58,40.54 ccw(c-310.58,47.79) U2.14@-305.46,42.66
TTP224_OUT_1: U2.15 U5.15 | length 536.4
  Top Layer w8: U5.15@-803.78,14.8 -599,14.8 -598.85,14.95 U2.15@-278.84,14.95 ; U2.15@-305.46,12.83 ccw(c-310.58,7.71) -310.58,14.95 ccw(c-310.58,22.2) U2.15@-305.46,17.07
TTP224_OUT_2: U2.16 U5.14 | length 536.4
  Top Layer w8: U5.14@-803.78,-10.39 -599,-10.39 -598.76,-10.64 U2.16@-278.84,-10.64 ; U2.16@-305.46,-12.76 ccw(c-310.58,-17.88) -310.58,-10.64 ccw(c-310.58,-3.4) U2.16@-305.46,-8.52
TTP224_OUT_3: U2.17 U5.13 | length 536.6
  Top Layer w8: U5.13@-803.78,-35.59 -599,-35.59 -598.36,-36.23 U2.17@-278.84,-36.23 ; U2.17@-305.46,-38.35 ccw(c-310.58,-43.47) -310.58,-36.23 ccw(c-310.58,-28.99) U2.17@-305.46,-34.11
UART_TX: J11.5 U2.2 | length 1911.9
  Top Layer w8: U2.2@-19,-87.41 183.41,-87.41 189,-93 ; U2.2@7.62,-89.53 cw(c12.74,-94.65) 12.74,-87.41 cw(c12.74,-80.17) U2.2@7.62,-85.29 ; v1@205.9,-100.04 ccw(c189,-116.8) 189,-93 ; v1@205.9,-85.96 cw(c189,-69.2) 189,-93 ; v1(213,-93) 189,-93
  Top Layer w10: v1(213,802) 731.29,802 ; v1@219.36,795.64 cw(c234.73,780.27) 234.73,802 cw(c234.73,823.73) v1@219.36,808.36 ; J11.5@738.98,829.04 cw(c710.87,822.42) 731.29,802 ; J11.5@758.33,809.69 ccw(c751.71,781.58) 731.29,802 ; J11.5@764.29,835 731.29,802
  Bottom Layer w8: v1@205.93,-85.93 ccw(c188.86,-68.86) 213,-68.86 ccw(c237.14,-68.86) v1@220.07,-85.93 ; v1@205.93,794.93 cw(c188.86,777.86) 213,777.86 cw(c237.14,777.86) v1@220.07,794.93 ; v1(213,-93) v1(213,802)
V-LED: J8.7 R10.2 | length 255.8
  Top Layer w20: R10.2@-1004.19,607.19 -992.1,607.19 J8.7@-905.71,693.58 ; R10.2@-1002.42,618.96 ccw(c-1002.42,672.28) -964.71,634.58 ; J8.7@-926.71,693.58 cw(c-977.41,693.58) -941.56,657.73 cw(c-905.71,621.88) J8.7@-905.71,672.58
VO: J8.3 R15.1 | length 210.8
  Top Layer w30: J8.3@-764.29,819 cw(c-764.29,780.37) -736.98,807.69 cw(c-709.66,835) J8.3@-748.29,835 ; J8.3@-764.29,835 -707,777.71 -707,768 R15.1@-665,726
pads on no net: J8.4 J9.4 J9.6 J9.8 J10.4 J10.5 J10.6 U1.21 U1.23 U1.25 U3.10 U3.25 U3.26 U3.27 U3.28 U3.29 U3.30 U3.31 U3.32 U3.33 U3.34 U3.35 U3.36 U3.37 U3.38 U3.39 U3.40 U3.41 U6.5 U6.6 U6.7 X1.

## Polygon pours and split planes (outlines as drawn)
GND on Top Layer "Top Layer-No Net" (solid, remove dead copper, pour order 10): -1400,1400 1400,1400 1400,-1400 -1400,-1400 -1400,1400
GND on Bottom Layer "Top Layer-No Net" (solid, remove dead copper, pour order 12): -1400,1400 1400,1400 1400,-1400 -1390,-1400 -1400,-1390 -1400,1400

## Keep-outs
Keep-Out Layer:
  circle w1: c0,0 r1377.95

## Other copper
Top Layer:
  region net 5V: 855,210 872,291 838,291
  region net NetC2_A: 23,72 59,72 107,54 107,-15
  region net 5V: 24,85 60,85 108,103 108,172

## Silkscreen, mask and mechanical layers (free items; w line width, h text height)
Top Overlay:
  text "RX" at -31,1166 h50
  text "Back Light" at 56,887 h50
  text "背光" at 382,841 h70
  text "RX" at 620,812 h50 r45
  text "TX" at 695,747 h50 r45
  text "GND" at 736,648 h50 r45
  text "5V" at 820,590 h50 r45
  text "GND" at -680,80 h60
  text "FanSystem V1.0" at -271,-459 h80
  text "GND" at 500,-1240 h60 r25

## Text inside footprints (layer, text, board x,y; h text height)
J6: Top Overlay "+" at 642.47,-690.55 h118.11 r315